# Allegro board BeagleBone AI -64_PCB_V1.02_211119.brd (continued)
## Copper pours and planes (outline as drawn; the poured copper is in the pictures) (continued)
GND on L12-SIGNAL (solid shape): 18.76,64.35 18.79,64.21 18.87,64.09 19.04,63.91 19.16,63.83 19.3,63.81 19.45,63.81 19.45,63.65 19.48,63.51 19.56,63.39 19.73,63.22 19.85,63.14 19.99,63.11 20.23,63.12 21.39,61.96 21.37,61.92 21.31,61.82 21.29,61.71 21.39,61.48 21.62,61.38 21.68,61.39 21.73,61.4 21.75,61.41 21.87,61.33 21.87,61.22 21.81,61.22 21.75,61.24 21.7,61.24 21.37,60.91 21.7,60.58 21.77,60.59 21.87,60.51 21.87,60.43 21.77,60.35 21.7,60.35 21.37,60.02 21.7,59.69 21.82,59.72 21.93,59.79 21.97,59.82 22.39,59.4 22.36,59.37 22.3,59.27 22.28,59.16 22.38,58.92 22.61,58.83 22.72,58.85 22.82,58.9 22.86,58.93 23.52,58.26 23.64,58.18 23.78,58.16 25.28,58.16 25.4,58.04 25.34,57.98 25.31,57.99 25.23,58.02 25.15,58.03 22.9,58.03 21.02,59.91 21.02,61.33 21,61.47 20.92,61.59 20.4,62.11 20.3,62.18 20.19,62.21 20.17,62.21 20.1,62.29 20.1,62.31 20,62.54 19.77,62.64 19.58,62.58 19.46,62.43 19.45,62.4 19.31,62.38 17.17,64.52 17.19,64.58 18.76,64.58
GND on L12-SIGNAL (solid shape): outline of 258 points within 14.69,59.5 20.02,63.69
GND on L12-SIGNAL (solid shape): outline of 755 points within 29.81,46.49 44.08,63.42
GND on L12-SIGNAL (solid shape): outline of 1067 points within 20.84,59.96 45.49,72.5
GND on L12-SIGNAL (solid shape): outline of 1329 points within -7.56,58.34 16.98,70.91
GND on L12-SIGNAL (solid shape): outline of 2255 points within -15.09,47.15 -3.33,72.2
GND on L12-SIGNAL (solid shape): outline of 3138 points within 33.41,0.61 53.88,75.9
GND on L12-SIGNAL (solid shape): outline of 5976 points within -46.81,6.48 49.04,75.9
GND on TOP: -11.3,35.03 -12.26,35.03 -12.69,34.6 -12.69,34.04 -13.28,33.45 -13.28,32.36 -13,32.08 -11.2,32.08 -10.97,32.31 -10.97,33.91 -11.12,34.06 -11.12,34.85
GND on TOP: 20.55,10.54 18.6,10.54 17.51,11.63 15.91,11.63 15.78,11.76 15.78,13.01 15.22,13.57 15.22,13.95 15.37,14.1 17.33,14.1 17.63,14.4 19.26,14.4 19.41,14.56 19.41,14.73 19.34,14.81 19.34,16.79 19.11,17.02 18.22,17.02 18.04,16.84 18.04,15.88 17.84,15.67 15.14,15.67 14.54,15.06 14.54,13.03 14.81,12.75 14.81,8.66 14.61,8.46 14.61,6.86 14.38,6.63 14,6.63 13.8,6.43 13.8,5.82 13.95,5.67 15.07,5.67 15.37,5.36 19.01,5.36 20.81,7.16 20.81,10.29
GND on TOP: -23.69,18.62 -22.85,18.62 -21.63,19.84 -19.5,19.84 -19.4,19.94 -19.4,20.63 -19.32,20.7 -18.56,20.7 -18.31,20.45 -18.31,18.95 -19.02,18.24 -21.63,18.24 -22.63,17.25 -23.67,17.25 -23.95,17.53 -23.95,18.37
GND on TOP: -42.95,19.79 -38.91,19.79 -35.58,16.46 -35.58,12.63 -38.91,9.3 -40.33,9.3 -41.75,7.88 -44.55,7.88 -45,8.33 -45,9.6 -43.83,10.77 -38.83,10.77 -37.69,11.91 -37.69,14.89 -38.14,15.34 -39.62,15.34 -40.1,14.86 -43.35,14.86 -43.99,15.5 -43.99,18.75
GND on TOP: 7.5,7.8 5.42,7.8 4.25,6.63 4.25,3.61 3.13,2.49 0.51,2.49 0.08,2.92 0.08,5.44 1.15,6.5 1.15,7.42 1.86,8.13 1.86,11.66 0.97,12.55 -1.24,12.55 -1.49,12.8 -1.49,15.95 -1.14,16.31 3.08,16.31 3.94,15.44 3.94,12.42 4.2,12.17 4.4,12.17 4.78,11.79 4.78,11.08 5.29,10.57 6.81,10.57 7.27,10.11 7.27,8.84 7.65,8.46 7.65,7.95
GND on TOP: 37.55,64.8 36.96,64.8 36.76,65 36.76,66.32 36.46,66.63 36.46,67.29 36.53,67.36 36.91,67.36 37.12,67.57 37.5,67.57 37.57,67.49 37.57,66.5 37.7,66.37 37.7,64.95
GND on TOP: 48.29,65.79 48.29,67.64 48.9,68.25 49.41,68.25 49.54,68.38 49.54,68.76 49.74,68.96 50.43,68.96 51.03,68.35 51.03,68.18 50.86,68 49.71,68 49.41,67.69 49.41,65.89 49.94,65.36 49.94,64.77 50.27,64.44 50.73,64.44 50.83,64.34 50.83,64.06 50.68,63.91 49.28,63.91 48.98,64.21 48.98,65.33 48.72,65.58 48.49,65.58
GND on TOP: -2.71,64.67 -3.24,64.67 -3.55,64.37 -3.55,63.04 -3.3,62.79 -2.46,62.79 -2.18,63.07 -2.18,63.6 -2.53,63.96 -2.53,64.49
GND on TOP: 52.3,57.48 50.78,57.48 50.22,56.92 48.88,56.92 48.32,56.36 48.32,55.98 47.81,55.48 47.81,55.22 47.91,55.12 49.69,55.12 50.48,55.91 52.3,55.91 52.53,56.14 52.53,57.25
GND on TOP: -2.51,32.36 -2.51,33.2 -2.91,33.61 -2.91,34.14 -3.3,34.52 -3.83,34.52 -3.98,34.37 -3.98,34.06 -3.37,33.45 -3.37,32.39 -3.27,32.28 -3.27,30.46 -3.17,30.35 -2.31,30.35 -2.25,30.41 -2.25,30.84 -2.36,30.94 -2.36,32.21
GND on TOP: -24.35,36.4 -24.35,37.34 -24.58,37.57 -24.58,38.3 -24.3,38.58 -24.3,39.65 -24.58,39.93 -24.58,41.07 -24.38,41.28 -24.38,41.89 -24.45,41.96 -25.5,41.96 -25.57,41.89 -25.57,36.37 -25.34,36.15 -24.61,36.15
GND on TOP: 9.35,21.36 9.35,21.82 9.25,21.92 9.25,23.83 8.46,24.61 8.46,26.95 8.64,27.13 9.76,27.13 10.01,26.87 10.01,24.11 10.39,23.73 10.39,22.53 9.73,21.87 9.73,21.41 9.61,21.29 9.43,21.29
GND on TOP: 38.77,20.35 41.46,20.35 41.69,20.12 41.69,18.67 42.14,18.21 42.14,16.61 42.5,16.26 43.47,16.26 44.13,15.6 49.51,15.6 49.94,16.03 49.94,19.69 50.5,20.25 52.15,20.25 52.38,20.02 52.38,16.92 51.05,15.58 51.06,15.57 51.06,13.62 50.96,13.51 50.81,13.51 50.6,13.72 49.18,13.72 48.83,13.36 46.01,13.36 44.48,14.89 43.26,14.89 42.93,15.22 42.93,15.72 42.73,15.93 41.08,15.93 40.57,15.42 40.57,14.61 40.16,14.2 37.09,14.2 36.84,13.95 36.05,13.95 35.62,13.51 35.62,12.24 35.39,12.02 33.64,12.02 33.25,12.4 33.25,14.86 33.86,15.47 37.62,15.47 38.46,16.31 38.46,20.04
GND on TOP: 43.08,59.39 41.05,59.39 40.67,59.77 40.67,60.78 40.14,61.32 40.14,64.52 38.69,65.97 38.69,67.34 38.89,67.54 39.33,67.54 39.63,67.24 39.63,65.91 39.83,65.71 41.48,65.71 41.84,65.36 41.84,64.03 42.63,63.25 43.72,63.25 43.85,63.12 43.85,61.29 43.39,60.83 43.39,59.69
GND on TOP: 47.61,27.1 46.34,27.1 46.08,27.36 46.08,27.92 46.41,28.25 46.89,28.25 48.19,29.54 49.56,29.54 49.89,29.21 49.89,28.07 49.69,27.87 48.37,27.87
GND on TOP: -23.56,23.5 -23.56,25.91 -24,26.34 -26.71,26.34 -27.12,25.93 -27.12,25.43 -27.45,25.1 -27.45,23.7 -27.07,23.32 -27.07,21.69 -28.19,20.58 -29.66,20.58 -29.76,20.68 -29.76,21.06 -29.66,21.16 -29.08,21.16 -28.62,21.62 -28.62,24.94 -28.29,25.27 -28.29,27.08 -27.88,27.48 -25.42,27.48 -25.06,27.84 -25.06,28.32 -24.91,28.47 -23.44,28.47 -21.94,26.98 -21.71,26.98 -21.53,26.8 -21.53,26.6 -21.76,26.37 -21.76,25.43 -22.24,24.94 -22.24,23.62 -22.85,23.01 -22.85,22 -23.01,21.85 -23.26,21.85 -23.54,22.12 -23.9,22.12 -24.12,22.35 -24.12,22.94
GND on TOP: -16.86,32.64 -19.09,32.64 -19.22,32.51 -19.22,32.26 -19.12,32.16 -16.81,32.16 -16.73,32.23 -16.73,32.51
GND on TOP: 24.87,11.53 23.58,11.53 23.15,11.96 23.15,14.02 21.67,15.5 21.67,16.28 21.82,16.44 22,16.44 22.1,16.33 22.1,15.8 22.13,15.77 22.31,15.77 22.33,15.8 22.33,16.33 22.41,16.41 22.69,16.41 22.76,16.33 22.76,15.8 22.79,15.77 22.97,15.77 22.99,15.8 22.99,16.33 23.07,16.41 23.37,16.41 23.43,16.36 23.43,15.47 23.68,15.22 24.75,15.22 25.1,14.86 25.1,11.76
GND on TOP: -5.78,34.98 -6.22,34.98 -6.57,34.62 -6.57,33.68 -6.32,33.43 -6.32,32.62 -6.14,32.44 -5.71,32.44 -5.51,32.64 -5.51,34.7
GND on TOP: -7.89,67.39 -9.24,67.39 -9.62,67.01 -9.62,66.35 -9.47,66.19 -9.11,66.19 -8.66,65.74 -7.82,65.74 -7.64,65.91 -7.64,67.13
GND on TOP: -0.63,33.45 0.41,33.45 1.02,32.84 2.55,32.84 2.72,33.02 3.03,33.02 3.28,32.77 3.28,29.87 3,29.59 3,29.41 2.88,29.29 2.04,29.29 1.99,29.24 1.99,28.58 2.37,28.2 2.37,27.1 2.72,26.75 3.49,26.75 3.92,26.32 4.86,26.32 4.93,26.24 4.93,25.73 4.5,25.3 4.5,24.89 4.58,24.82 4.96,24.82 5.42,25.27 5.8,25.27 5.9,25.17 5.9,24.66 5.75,24.51 5.29,24.51 4.93,24.16 1.61,24.16 1.02,24.74 1.02,27.74 1.81,28.53 1.81,29.54 2.11,29.85 2.11,30.38 1.89,30.61 0.62,30.61 0.08,31.14 0.08,32.44 -0.35,32.87 -0.6,32.87 -0.76,33.02 -0.76,33.33
GND on TOP: 12.12,68.12 12.12,69.67 10.34,71.45 10.34,74.32 10.55,74.53 12.17,74.53 14.13,72.57 14.13,68.96 13.01,67.84 12.4,67.84
GND on TOP: -10.15,62.49 -10.15,63.35 -10.53,63.73 -11.45,63.73 -11.73,63.45 -12.39,63.45 -12.57,63.27 -12.57,63.12 -12.36,62.92 -11.25,62.92 -10.71,62.38 -10.26,62.38
GND on TOP: 11.23,30.68 13.37,30.68 13.67,30.38 14.1,30.38 14.18,30.3 14.18,29.92 14.13,29.87 13.57,29.87 13.01,30.43 11.21,30.43 11.11,30.53 11.11,30.56
GND on TOP: 4.5,21.08 4.88,21.08 4.96,21.16 4.96,22.2 4.43,22.73 2.88,22.73 2.57,22.43 0.16,22.43 -0.17,22.1 -0.17,21.87 -0.02,21.72 1.71,21.72 1.99,21.44 4.15,21.44
GND on TOP: 35.13,58.12 34.35,58.12 33.59,57.35 33.59,55.14 32.85,54.41 32.85,50.4 33.31,49.94 35.11,49.94 35.46,50.29 35.46,57.79
GND on TOP: -11.45,64.59 -11.45,65.64 -11.83,66.02 -11.83,67.97 -12.85,68.99 -14.75,68.99 -14.9,68.84 -14.9,68.28 -14.5,67.87 -14.5,65.03 -14.34,64.87 -13.56,64.87 -13.33,65.1 -13.33,65.58 -13.18,65.74 -12.31,65.74 -12.13,65.56 -12.13,64.57 -11.98,64.42 -11.63,64.42
GND on TOP: 0.34,64.57 0.34,64.75 0.21,64.87 -0.12,64.87 -0.22,64.77 -0.22,62.76 0.03,62.51 0.51,62.51 0.79,62.79 0.79,63.55 0.49,63.86 0.49,64.42
GND on TOP: 31.78,16.54 30.49,16.54 30.08,16.94 30.08,18.95 29.52,19.51 29.52,20.32 29.9,20.7 31.05,20.7 31.68,21.34 31.68,25.02 30.49,26.21 30.49,28.6 30.28,28.81 29.93,28.81 28.81,29.92 26.12,29.92 25.28,29.08 25.28,28.25 25.08,28.04 24.14,28.04 23.91,28.27 23.91,31.24 24.59,31.93 30,31.93 31.76,30.18 32.9,30.18 33.2,29.87 33.2,21.57 32.34,20.7 32.34,17.1
GND on TOP: 18.73,25.76 16.8,25.76 16.47,26.09 16.47,26.8 16.24,27.03 14.81,27.03 13.98,27.87 13.98,28.58 13.87,28.68 13.42,28.68 13.29,28.55 13.29,27.97 13.54,27.71 13.54,26.65 13.7,26.49 14.56,26.49 15.09,25.96 15.09,24.49 15.27,24.31 16.36,24.31 16.95,24.89 19.26,24.89 20.2,23.95 21.67,23.95 22.03,24.31 22.03,25.2 19.87,27.36 19.87,27.69 19.72,27.84 19.44,27.84 19.31,27.71 19.31,27.33 18.88,26.9 18.88,25.91
GND on TOP, BOTTOM: 43.44,48.16 41.08,48.16 40.67,47.75 40.67,44.48 41.1,44.05 43.31,44.05 43.85,44.58 43.85,46.59 43.64,46.79 43.64,47.96
GND on TOP, BOTTOM: 42.55,35.56 39.43,35.56 38.94,35.08 38.94,33.53 38.54,33.12 38.54,31.55 38.67,31.42 41.1,31.42 41.31,31.62 41.31,32.89 41.51,33.1 42.6,33.1 42.86,33.35 42.86,35.26
GND on BOTTOM: 43.47,59.72 43.47,61.27 43.72,61.52 43.72,62.97 43.47,63.22 40.44,63.22 40.21,62.99 40.21,61.42 40.57,61.06 40.57,59.82 40.93,59.46 43.21,59.46
GND on BOTTOM: -39.41,29.69 -40.74,29.69 -41.04,30 -41.04,32.67 -41.47,33.1 -41.47,33.89 -41.17,34.19 -39.08,34.19 -38.55,33.66 -38.55,32.11 -39.08,31.57 -39.08,30.02
GND on BOTTOM: 20.17,73.79 18.52,73.79 18.07,73.33 18.07,69.78 18.29,69.55 20,69.55 20.38,69.93 20.38,73.59
GND on BOTTOM: 49.56,29.54 48.19,29.54 46.89,28.25 46.44,28.25 46.11,27.92 46.11,27.33 46.34,27.1 47.63,27.1 48.39,27.87 49.69,27.87 50.3,27.26 52.48,27.26 52.74,27.51 52.74,28.37 52.36,28.75 50.35,28.75
GND on BOTTOM: 35.52,41.86 34.19,40.54 30.71,40.54 30.03,39.85 30.03,38.63 29.42,38.03 28.96,38.03 28.81,37.87 28.81,37.42 29.09,37.14 34.02,37.14 35.79,38.91 35.79,39.98 36.18,40.36 38.97,40.36 41.36,37.97 44,37.97 44.96,38.94 44.96,41.23 44.33,41.86
GND on BOTTOM: -27.37,29.39 -28.09,29.39 -28.21,29.26 -29.13,29.26 -29.23,29.36 -30.25,29.36 -30.45,29.16 -31.08,29.16 -31.64,28.6 -33.47,28.6 -33.65,28.78 -33.65,30.23 -34,30.58 -34,32.16 -33.65,32.51 -33.65,33.2 -33.98,33.53 -33.98,34.06 -33.75,34.29 -33.75,34.82 -33.67,34.9 -32.56,34.9 -32.18,34.52 -31.54,34.52 -31.24,34.82 -29.99,34.82 -29.66,34.49 -28.52,34.49 -28.21,34.19 -28.21,32.67 -27.96,32.41 -27.96,31.22 -28.29,30.89 -28.29,30.2 -28.14,30.05 -27.35,30.05 -27.17,29.87 -27.17,29.59
GND on BOTTOM: 45.68,56.34 43.97,56.34 43.67,56.64 42.7,56.64 42.5,56.85 42.5,57.28 42.35,57.43 41.94,57.43 41.54,57.02 40.09,57.02 39.76,56.69 39.76,55.81 39.58,55.63 39.58,54.99 39.73,54.84 39.73,49.76 39.88,49.61 40.98,49.61 41.28,49.91 45.73,49.91 47.63,51.82 47.63,54.92 47.89,55.17 49.87,55.17 50.88,56.19 52.28,56.19 52.69,56.59 52.69,57.66 52.08,58.27 50.53,58.27 49.31,57.05 48.95,57.05 48.44,56.54 47.99,56.54 47.28,55.83 45.88,55.83 45.8,55.91 45.8,56.21
GND on BOTTOM: -33.6,49.02 -33.6,50.4 -32.91,51.08 -32.91,52.71 -33.45,53.24 -34.36,53.24 -34.51,53.39 -34.51,54.38 -33.65,55.25 -33.65,56.36 -33.78,56.49 -35.1,56.49 -35.3,56.29 -35.3,52.6 -34.99,52.3 -33.47,52.3 -33.37,52.2 -33.37,51.26 -33.57,51.06 -34.87,51.06 -35.17,50.75 -35.17,49.05 -34.99,48.87 -33.75,48.87
GND on BOTTOM: -18.54,12.5 -18.54,13.21 -18.84,13.51 -21.18,13.51 -21.33,13.67 -21.33,14.5 -21.1,14.73 -19.37,14.73 -19.09,14.45 -18.05,14.45 -17.67,14.07 -17.67,12.73 -18.05,12.35 -18.38,12.35
GND on BOTTOM: 48.83,10.8 44.08,10.8 43.92,10.95 43.92,11.2 44.43,11.71 45.52,11.71 45.88,12.07 45.88,14.96 46.34,15.42 48.77,15.42 49.38,14.81 49.38,11.36
GND on BOTTOM: -40.63,22.79 -45.23,22.79 -46.58,21.44 -46.58,16.61 -46.32,16.36 -39.97,16.36 -39.82,16.51 -39.82,18.67 -38.09,20.4 -34.51,20.4 -33.83,21.08 -33.83,25.07 -34.18,25.43 -37.99,25.43
GND on BOTTOM: 40.65,5.67 40.14,5.67 40.04,5.56 40.04,3.74 40.16,3.61 40.62,3.61 40.85,3.84 40.85,5.46
GND on BOTTOM: -9.67,60 -9.67,62.69 -9.87,62.89 -10.51,62.89 -10.84,62.56 -10.84,59.97 -10.59,59.72 -9.95,59.72
GND on BOTTOM: -6.6,33.76 -6.34,33.5 -6.34,32.41 -6.17,32.23 -5.61,32.23 -5.48,32.36 -5.48,33.96 -5.78,34.27 -5.78,34.57 -6.17,34.95 -6.17,35.51 -6.29,35.64 -6.72,35.64 -6.8,35.56 -6.8,34.77 -6.6,34.57
GND on BOTTOM: -4.67,66.27 -4.74,66.19 -4.74,66.04 -5.15,65.64 -5.15,64.85 -5.05,64.75 -4.51,64.75 -4.39,64.87 -4.39,65.94 -4.21,66.12 -4.21,66.5 -4.29,66.57 -4.57,66.57 -4.67,66.47
GND on BOTTOM: 21.75,62.74 18.52,62.74 18.24,63.02 18.24,63.7 18.45,63.91 21.72,63.91 21.9,63.73 21.9,62.89
GND on BOTTOM: 8.59,31.27 9.4,31.27 9.84,30.84 11.21,30.84 11.36,30.68 13.34,30.68 13.7,30.33 14.1,30.33 14.59,29.85 14.81,29.85 15.3,30.33 16.8,30.33 17.13,30.66 20.2,30.66 20.43,30.43 20.43,29.9 20.28,29.74 17,29.74 16.41,29.16 10.55,29.16 10.29,28.91 10.09,28.91 10.09,28.5 9.91,28.32 9.43,28.32 9.23,28.53 9.23,29.85 9.02,30.05 8.72,30.05 8.44,30.33 8.44,31.12
GND on BOTTOM: 34.8,5.49 34.8,4.6 34.88,4.52 35.39,4.52 35.54,4.37 35.54,4.04 35.29,3.79 34.37,3.79 34.04,4.12 34.04,5.41 33.61,5.84 31.4,5.84 30.94,5.39 30.94,2.59 28.89,0.53 24.36,0.53 23.96,0.94 23.96,3.07 28.66,7.77 32.52,7.77
GND on BOTTOM: -2.36,16.69 5.14,16.69 5.82,16 5.82,12.27 5.75,12.19 4.91,12.19 4.63,11.91 4.63,3.89 3.64,2.9 -0.17,2.9 -0.4,3.13 -0.4,5.46 1.15,7.01 1.15,7.32 1.28,7.44 2.83,7.44 3.36,7.98 3.36,8.82 3.21,8.97 3.21,13.13 3.38,13.31 4.07,13.31 4.3,13.54 4.3,14.45 4.04,14.71 2.17,14.71 1.89,14.43 1.89,12.98 1.4,12.5 -2.64,12.5 -2.99,12.85 -2.99,16.05
GND on BOTTOM: -7.79,65.91 -7.79,67.08 -7.97,67.26 -10.86,67.26 -11.25,66.88 -11.25,65.76 -10.99,65.51 -10.66,65.51 -10,66.17 -9.04,66.17 -8.58,65.71 -7.99,65.71
GND on BOTTOM: 15.88,12.35 14.61,12.35 14.1,11.84 14.1,11.18 13.75,10.82 13.75,10.36 13.9,10.21 14.46,10.21 15.04,9.63 16.41,9.63 16.54,9.76 16.54,9.93 16.47,10.01 16.21,10.01 16.08,10.14 16.08,12.14
GND on BOTTOM: 44.71,4.01 43.39,4.01 43.11,3.74 43.11,0.97 43.41,0.66 46.74,0.66 47.07,0.99 47.07,2.14 48.01,3.07 52.13,3.07 52.61,3.56 52.61,4.93 52.3,5.23 45.65,5.23 44.91,4.5 44.91,4.22
GND on BOTTOM: 23.83,28.7 22.84,27.71 19.59,27.71 19.26,28.04 18.42,28.04 18.27,27.89 18.27,25.58 19.54,24.31 22.03,24.31 23.45,25.73 24.59,25.73 25.79,26.93 25.79,32.21 25.63,32.36 24.01,32.36 23.83,32.18
GND on BOTTOM: 38.49,16.41 38.31,16.23 35.52,16.23 32.8,18.95 32.8,23.65 32.7,23.75 31.98,23.75 31.71,23.47 31.71,21.44 31.12,20.85 30.03,20.85 29.65,20.47 29.65,18.49 30.71,17.43 32.77,17.43 32.95,17.25 32.95,15.75 33.1,15.6 33.1,12.19 34.4,10.9 37.7,10.9 37.85,11.05 37.85,11.56 37.75,11.66 35.87,11.66 35.06,12.47 35.06,14.73 35.24,14.91 35.69,14.91 36.25,15.47 39.88,15.47 40.14,15.22 40.14,14.84 40.29,14.68 41.64,14.68 41.76,14.81 41.76,15.11 42.09,15.44 42.09,18.21 41.69,18.62 41.69,22.28 43.14,23.73 43.14,26.82 44.1,27.79 44.1,28.27 44,28.37 40.65,28.37 40.34,28.68 40.34,29.24 40.14,29.44 39.88,29.44 39.33,28.88 38.67,28.88 38.39,29.16 37.62,29.16 37.22,28.75 37.22,25.25 37.06,25.1 37.06,24.31 37.24,24.13 37.24,21.72 37.6,21.36 38.44,21.36 38.72,21.08 38.72,20.73 38.49,20.5
GND on BOTTOM: -21.66,27.1 -22.7,27.1 -23.03,26.77 -23.03,25.25 -22.85,25.07 -21.63,25.07 -21.41,25.3 -21.41,26.85
GND on BOTTOM: 0.11,32.18 0.11,31.32 0.97,30.46 0.97,28.32 1.33,27.97 2.24,27.97 2.65,28.37 2.65,30.84 2.09,31.4 2.09,32.28 0.87,33.5 -0.68,33.5 -0.81,33.38 -0.81,33 -0.73,32.92 -0.63,32.92
GND on BOTTOM: -24.71,36.17 -24.71,38.38 -24.33,38.76 -24.33,39.68 -24.61,39.96 -24.61,41.12 -24.45,41.28 -24.45,41.84 -24.61,41.99 -25.24,41.99 -25.37,41.86 -25.37,41.28 -25.67,40.97 -25.67,36.15 -25.5,35.97 -24.91,35.97
GND on BOTTOM: -2.41,32.51 -2.41,34.37 -2.66,34.62 -3.7,34.62 -3.93,34.39 -3.93,34.06 -3.3,33.43 -3.3,32.54 -3.02,32.26 -2.66,32.26
GND on BOTTOM: 26.57,64.62 28.12,64.62 30.33,62.41 30.33,61.8 30.18,61.65 29.24,61.65 27.08,59.49 25.61,59.49 25.51,59.59 25.15,59.59 24.85,59.29 24.85,58.98 24.97,58.85 26.9,58.85 27.18,58.57 27.18,57.35 26.96,57.13 21.27,57.13 20.94,57.46 20.94,59.18 20.58,59.54 19.03,59.54 18.83,59.34 16.19,59.34 15.83,59.69 15.83,61.09 16.14,61.39 17.71,61.39 18.22,60.89 20.55,60.89 20.73,61.06 20.73,61.42 20.81,61.49 23.6,61.49 23.73,61.37 23.73,60.25 23.4,59.92 22.16,59.92 22.03,59.79 22.03,59.13 22.31,58.85 23.43,58.85 23.7,59.13 23.7,59.67 24.24,60.2 25.18,60.2 25.43,59.95 25.86,59.95 26.02,60.1 26.02,60.86 25.74,61.14 25.74,62.87 26.35,63.48 26.35,64.39
GND on L2-GND, L4-GND, L6-GND, L11-GND, L13-GND: outline of 110 points within -46.81,-1.78 53.88,75.9
GND on L7-PWR/GND: 28.17,75.87 52.97,75.87 53.85,74.98 53.85,68.89 53.57,68.61 27.34,68.61 26.83,69.11 26.83,74.53
GND on L7-PWR/GND: -41.04,37.54 -45.13,37.54 -45.76,38.18 -45.76,48.97 -44.95,49.79 -44.95,63.1 -43.78,64.26 -39.95,64.26 -38.22,65.99 -38.22,74.12 -37.1,75.24 -27.4,75.24 -27.27,75.11 -27.27,74.32 -40.38,61.22 -40.38,38.2
GND on L7-PWR/GND: 32.87,52.07 2.57,52.07 1.94,51.44 1.94,41.05 3.61,39.37 33.18,39.37 33.81,40.01 33.81,51.13
GND on L7-PWR/GND: 6.25,64.59 -5.96,64.59 -6.6,63.96 -6.6,60.12 -6.04,59.56 6.25,59.56 7.04,60.35 7.04,63.81
GND on L7-PWR/GND: -39.08,22.89 -45.21,22.89 -46.68,21.41 -46.68,6.99 -46.25,6.55 -40.74,6.55 -39.97,7.32 -39.97,8.74 -39.47,9.25 -37.69,9.25 -37.03,9.91 -37.03,12.47 -38.32,13.77 -38.32,22.12
GND on L7-PWR/GND: 52.99,24.59 50.6,24.59 49.99,23.98 49.99,8.08 47.61,5.69 43.77,5.69 43.11,5.03 43.11,1.32 43.59,0.84 46.74,0.84 47.15,1.25 47.15,2.29 47.96,3.1 52.74,3.1 53.7,4.07 53.7,23.88
GND on L8-PWR/GND: 2.22,14.63 -20.92,14.63 -21.46,14.1 -21.46,12.32 -20.01,10.87 -2.86,10.87 -2.23,10.24 -2.23,-0.84 -1.47,-1.6 3.08,-1.6 4.5,-0.18 4.5,5.46 4.93,5.89 6.81,5.89 9.79,2.92 11.28,2.92 12.53,4.17 12.53,6.88 7.68,11.74 5.11,11.74
GND on L8-PWR/GND: 52.97,75.87 53.85,74.98 53.85,68.89 53.57,68.61 42.7,68.61 42.53,68.78 42.53,70.92 39.66,73.79 31.48,73.79 28.3,70.61 27.13,70.61 26.8,70.94 26.8,74.63 28.05,75.87
GND on L8-PWR/GND: -41.14,22.89 -45.21,22.89 -46.68,21.41 -46.68,6.99 -46.25,6.55 -42.26,6.55 -41.75,7.06 -41.75,8.71 -38.32,12.14 -38.32,13.92 -37.51,14.73 -35.66,14.73 -34.41,15.98 -34.41,22.56 -34.66,22.81 -35.1,22.81 -36.06,23.78 -36.06,24.89 -36.62,25.45 -38.58,25.45
GND on L8-PWR/GND: 16.21,0.97 18.12,-0.94 29.55,-0.94 31.02,0.53 31.02,5.16 31.71,5.84 33.71,5.84 34.12,5.44 34.12,1.35 34.6,0.87 40.16,0.87 40.72,1.42 40.72,5.06 41.51,5.84 42.65,5.84 43.06,5.44 43.06,1.22 43.54,0.74 46.64,0.74 47.15,1.25 47.15,2.29 47.94,3.07 52.69,3.07 53.55,3.94 53.55,6.05 52.99,6.61 16.9,6.61 16.21,5.92
GND on L8-PWR/GND: 19.69,68.91 -6.47,68.91 -10.94,73.38 -30.65,73.38 -32.61,71.43 -36.8,71.43 -37.46,72.09 -37.46,74.04 -36.44,75.06 19.26,75.06 20.25,74.07 20.25,69.47
GND on L8-PWR/GND: 25.91,53.75 24.9,53.75 20.53,49.38 -4.62,49.38 -6.88,47.12 -6.88,33.5 -6.24,32.87 1.66,32.87 15.63,46.84 27.08,46.84 27.69,47.45 27.69,51.97
GND on L9-PWR/GND: 28.17,75.87 52.97,75.87 53.85,74.98 53.85,4.09 52.74,2.97 47.56,2.97 47.12,3.41 47.12,9.6 45.83,10.9 44.05,10.9 43.87,11.08 43.87,13.29 44.56,13.97 49.54,13.97 51.97,16.41 51.97,23.24 53.12,24.39 53.12,29.31 50.91,31.52 47.48,31.52 46.82,32.18 46.82,42.17 47.99,43.33 47.99,47.04 45.83,49.2 43.11,49.2 42.75,49.56 42.75,52.94 43.49,53.67 48.77,53.67 51.06,55.96 51.06,65.97 47.61,69.42 27.24,69.42 26.83,69.83 26.83,74.53
GND on L9-PWR/GND: 19.77,75.24 -37.23,75.24 -38.27,74.19 -38.27,65.56 -39.59,64.24 -44.01,64.24 -44.75,63.5 -44.75,47.58 -44.42,47.25 -32.76,47.25 -32.38,47.63 -32.38,64.03 -22.96,73.46 12.4,73.46 13.87,71.99 20.25,71.99 20.58,72.32 20.58,74.42
GND_EARTH on TOP: -46.5,49.53 -46.5,64.47 -45.03,65.94 -41.22,65.94 -39.77,67.39 -39.77,73.81 -42.01,76.05 -46.88,76.05 -48.05,74.88 -48.05,49.58 -47.87,49.4 -46.63,49.4
GND_EARTH on BOTTOM: outline of 84 points within -47.57,-3.43 53.91,9.83
GND_EARTH on L2-GND: outline of 112 points within -48.05,-3.43 53.91,76.05 ; 1 cut-out
GND_EARTH on L4-GND: outline of 112 points within -48.05,-3.43 53.91,76.05 ; 1 cut-out
GND_EARTH on L6-GND: outline of 112 points within -48.05,-3.43 53.91,76.05 ; 1 cut-out
GND_EARTH on L7-PWR/GND: outline of 112 points within -48.05,-3.43 53.91,76.05 ; 1 cut-out
GND_EARTH on L8-PWR/GND: outline of 112 points within -48.05,-3.43 53.91,76.05 ; 1 cut-out
GND_EARTH on L9-PWR/GND: outline of 112 points within -48.05,-3.43 53.91,76.05 ; 1 cut-out
GND_EARTH on L11-GND: outline of 112 points within -48.05,-3.43 53.91,76.05 ; 1 cut-out
V1V1_VDDUSB on TOP: 4.55,20.6 4.22,20.93 2.11,20.93 1.63,21.41 -1.34,21.41 -1.39,21.36 -1.39,21.16 -1.37,21.13 -0.58,21.13 0.45,20.11 0.86,20.11 1.5,19.46 5.37,19.46 5.57,19.66 5.57,20.47 5.44,20.6
V1V1_VDDUSB on L3-SIGNAL: 4.96,19.41 4.96,20.45 0.77,24.64 0.77,25.45 0.51,25.71 -0.27,25.71 -2.33,23.65 -7.54,23.65 -9.34,21.85 -9.34,20.42 -11.07,18.7 -11.07,17.12 -10.08,16.13 -2.28,16.13 -0.73,17.68 3.23,17.68
V1V1_VDDUSB on L12-SIGNAL: -9.49,17.02 -10.86,17.02 -11.37,17.53 -11.37,19.46 -12.64,20.73 -12.64,24.92 -12.44,25.12 -11.6,25.12 -9.04,22.56 -9.04,17.48
V3V3_DP0 on TOP: 14.31,10.67 13.32,10.67 13.04,10.39 13.04,8.97 12.63,8.56 12.63,3.91 12.83,3.71 13.19,3.71 13.44,3.96 13.44,7.75 14.51,8.82 14.51,10.47
V3V3_VDD33USB on TOP: 4.71,26.93 4.71,27.94 4.35,28.3 2.88,28.3 2.62,28.04 2.62,27.41 2.77,27.26 3.33,27.26 3.89,26.7 4.48,26.7
V3V3_VDD33USB on L10-SIGNAL: -2.53,29.14 -2.53,28.75 -6.14,25.15 -13.89,25.15 -14.4,24.64 -14.4,21.77 -12.72,20.09 -12.72,17.86 -11.3,16.44 2.06,16.44 2.5,16.87 2.5,22.71 4.76,24.97 4.76,27.51 4.2,28.07 0.49,28.07 -1.49,30.05 -2.76,30.05 -2.91,29.9 -2.91,29.52
VBUS_5V0_TYPEA on TOP: 1.45,9.35 1.45,8.23 0.84,7.62 0.84,7.06 0.74,6.96 -1.04,6.96 -1.31,7.24 -1.31,9.45 -1.16,9.6 1.2,9.6
VBUS_5V0_TYPEA on BOTTOM: 2.77,11.89 1.53,11.89 0.82,11.18 -1.37,11.18 -1.57,10.97 -1.57,7.32 -1.21,6.96 0.74,6.96 0.84,7.06 0.84,7.62 1,7.77 1.33,7.77 1.78,8.23 1.78,10.52 2.27,11 2.27,11.63 2.32,11.69 2.75,11.69 2.83,11.76 2.83,11.84
VBUS_5V0_TYPEA on L10-SIGNAL: -7.36,4.6 -12.26,4.6 -13,5.34 -13,11.89 -10.26,14.63 0.57,14.63 1.15,14.05 1.15,7.52 0.79,7.16 -1.24,7.16 -2.18,8.1 -2.18,10.11 -3.35,11.28 -5.4,11.28 -6.7,9.98 -6.7,5.26
VDD1_LPDDR4_1V8_REG on TOP: 37.52,51.08 36.23,51.08 36,50.85 36,50.17 36.28,49.89 36.84,49.89 37.65,50.7 37.65,50.95
VDD1_LPDDR4_1V8_REG on BOTTOM: 37.29,50.8 35.16,50.8 34.93,50.57 34.93,49.05 35.16,48.82 35.87,48.82 37.4,50.34 37.4,50.7
VDD_1V1 on TOP: -18,23.04 -18,23.75 -18.48,24.23 -19.25,24.23 -19.48,24 -19.48,23.04 -19.27,22.84 -18.21,22.84
VDD_1V1 on TOP: 7.12,19.64 7.12,20.93 5.59,22.46 5.31,22.46 5.24,22.38 5.24,21.08 5.47,20.85 6.05,20.85 6.23,20.68 6.23,19.61 6.36,19.48 6.97,19.48
VDD_1V1 on TOP: 8.13,25.55 7.09,25.55 6.97,25.43 6.97,23.14 8.67,21.44 8.92,21.44 9.05,21.57 9.05,22.12 8.72,22.46 8.72,23.75 8.16,24.31 8.16,25 8.11,25.05 7.55,25.05 7.52,25.07 7.52,25.33 7.55,25.35 8.11,25.35 8.16,25.4 8.16,25.53
VDD_1V1 on L3-SIGNAL: 8.57,22.51 5.34,22.51 5.11,22.28 5.11,21.34 5.52,20.93 5.52,18.87 3.64,16.99 -0.53,16.99 -1.95,15.57 -10.36,15.57 -18.31,23.52 -19.5,23.52 -19.68,23.34 -19.68,19.99 -12.9,13.21 1.23,13.21 2.06,14.05 4.73,14.05 8.24,17.55 8.24,20.8 8.92,21.49 8.92,22.15
VDD_2V5 on TOP: 11.92,22.15 10.32,22.15 9.96,21.79 9.96,21.46 10.19,21.24 11.94,21.24 12.12,21.41 12.12,21.95
VDD_2V5 on TOP: -21.28,20.17 -21.84,20.17 -22.52,19.48 -23.77,19.48 -24.02,19.74 -24.02,21.16 -23.69,21.49 -20.87,21.49 -20.69,21.31 -20.69,20.19 -20.75,20.14 -20.87,20.14 -20.9,20.17 -20.9,20.75 -20.92,20.78 -21.18,20.78 -21.2,20.75 -21.2,20.25
VDD_2V5 on L3-SIGNAL: 10.7,22.15 9.99,22.15 9.63,21.79 9.63,20.73 8.82,19.92 8.82,17.55 4.93,13.67 2.52,13.67 1.61,12.75 -13.46,12.75 -22.19,21.49 -22.75,21.49 -23.39,20.85 -23.39,20.6 -22.7,19.92 -22.7,16.44 -17.55,11.28 8.06,11.28 12.02,15.24 12.02,20.83
VDD_ADC_1V8_3V3 on BOTTOM: 33.66,53.34 33.43,53.11 33.43,51.74 33.61,51.56 34.6,51.56 34.78,51.74 34.78,53.04 34.47,53.34
VDD_ADC_1V8_3V3 on BOTTOM: -18.94,27.15 -19.5,27.15 -19.81,26.85 -19.81,24.36 -18.26,22.81 -15.69,22.81 -15.41,23.09 -14.93,23.09 -14.5,23.52 -14.5,24.54 -14.65,24.69 -18.05,24.69 -18.71,25.35 -18.71,26.93
VDD_ADC_1V8_3V3 on L8-PWR/GND: 33.43,52.88 33.71,53.16 34.27,53.16 38.49,48.95 38.49,39.09 32.21,32.82 22.97,32.82 11.61,21.46 -15.39,21.46 -16.11,22.19 -16.11,23.64 -16.1,23.65 -16.1,25.38 -14.5,26.98 7.22,26.98 18.75,38.51 30.21,38.51 35.97,44.27 35.97,48.16 33.43,50.7
VDD_ADC_1V8_3V3_REG on TOP: 37.37,52.43 36.25,52.43 36.02,52.2 36.02,51.61 36.23,51.41 36.81,51.41 37.4,52 37.52,52 37.57,52.05 37.57,52.22
VDD_ADC_1V8_3V3_REG on BOTTOM: 36.84,52.48 35.79,52.48 35.59,52.27 35.59,51.54 35.69,51.44 36.46,51.44 36.79,51.77 36.99,51.77 37.12,51.89 37.12,52.2